# KiCad board BMS1_COPY_DONTDELETEORILLCRY.kicad_pcb (continued)
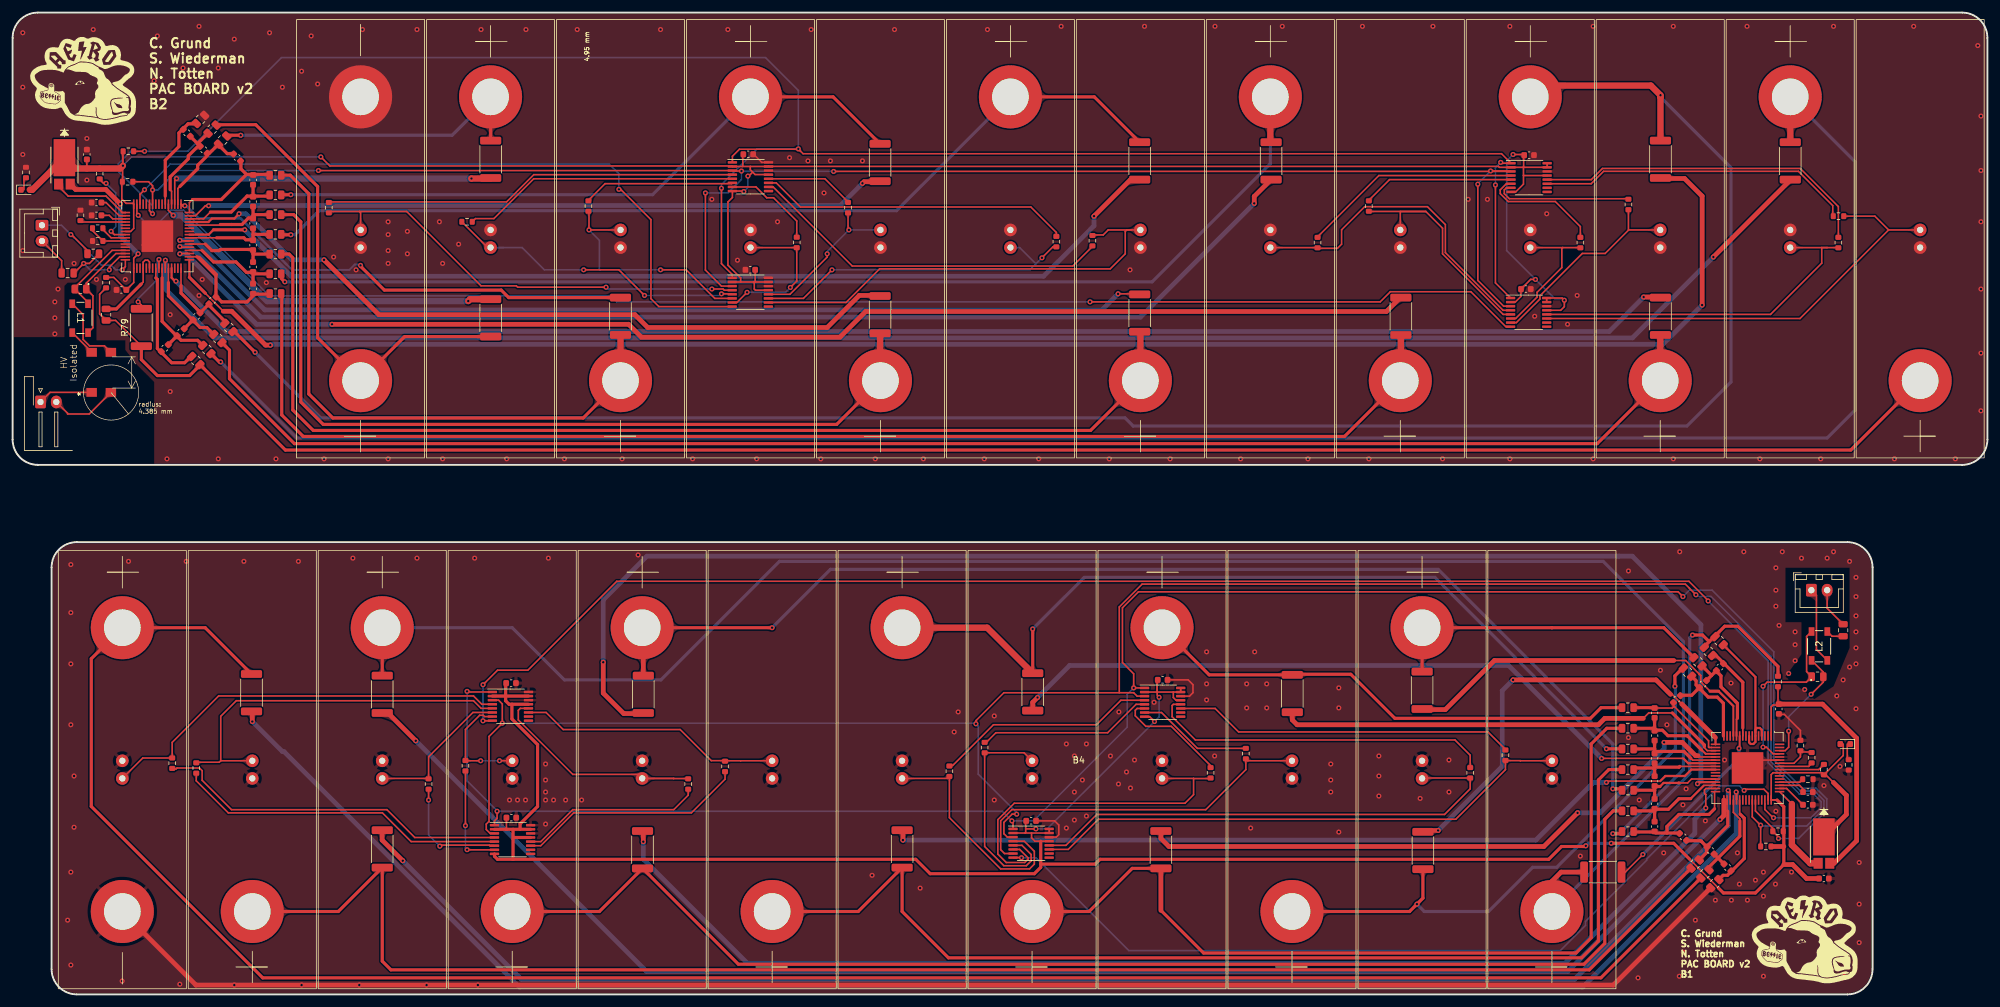
[diagram p0: board, top side]
## Routing (per net, layer and track width the routed paths; a pad name or vN(x,y) marks a point on that pad's centre or on a via; arc(x,y) is an arc through that point) (continued)
CT104: length 24.2
  Top w0.25: v1(116.42,111.33) 114.8,109.71 U7.7 ; B22.3 124.28,118.42 ; 124.29,118.32 124.29,113.11 v1(123.27,112.1)
  Bottom w0.25: v1(116.42,111.33) 116.42,111.34 122.51,111.34 v1(123.27,112.1)
CT105: length 25.2
  Top w0.25: v1(129.12,117.43) 129.12,116.91 123.21,111.01 119.79,111.01 ; v1(132.56,121.22) 132.42,121.36 132.42,123.84
  Bottom w0.25: v1(129.12,117.43) 129.12,117.78 v1(132.56,121.22) B21.3
CT106: length 54.1
  Top w0.25: v1(163.15,116.8) 164.89,118.54 R88.1 ; v1(129.88,114.89) 125.35,110.36 U7.11
  Bottom w0.25: 162.2,115.84 161.25,114.89 v1(129.88,114.89) ; 162.2,115.84 159.62,118.42 B20.3 ; 162.2,115.84 v1(163.15,116.8)
CT107: length 72.4
  Top w0.25: 177.38,121.22 173.66,121.22 172.86,120.42 171.15,120.42 ; B19.3 176.61,121.22 176.36,120.97 176.36,117.43 173.97,115.04 137.42,115.04 132.09,109.71 U7.10
CT108: length 51.5
  Top w0.25: U8.4 236.25,108.47 227.1,117.62 227.1,122.06 224.26,124.91 214.31,124.91 210.65,121.24 210.65,118.96 209.99,118.3 206.84,118.3 ; B18.3 206.81,118.42
CT109: length 38.5
  Top w0.25: 224,124.14 219.96,124.14 B17.3 ; 224,124.14 226.65,121.5 226.65,117.43 236.26,107.82 U8.5 ; 224,124.14 215.02,124.14
CT110: length 23
  Top w0.25: 245.7,118.42 248.46,118.42 ; 245.7,118.42 B16.3 ; 245.7,118.42 245.56,118.27 245.56,115.24 241.64,111.33 241.64,110.57 238.24,107.17 U8.6
CT111: length 33.2
  Top w0.25: 256.12,124.35 256.12,121.26 ; U8.7 238.35,106.52 242.09,110.26 242.09,110.77 248.8,117.49 252.42,117.49 256.16,121.22 B15.3
CT112: length 57.8
  Top w0.25: 287.61,118.42 286.76,118.42 286.76,115.94 278.64,107.82 U8.12 ; 287.61,118.42 B14.3 ; 287.61,118.42 289.27,118.42
CT113: length 72.9
  Top w0.25: B13.3 297.36,121.22 ; 297.36,121.22 283.31,107.17 U8.11 ; 297.36,121.22 295.17,123.4 290.33,123.4
CT201: length 66.1
  Top w0.25: B12.3 20.63,37.49 R51.1 25.29,39.96 32.66,47.33 73.05,47.33 74.37,46 U5.4
CT202: length 60.6
  Top w0.25: 29.1,36.81 32.75,36.81 32.99,37.04 ; 32.99,37.04 32.99,44.1 35.45,46.57 73.05,46.57 74.26,45.35 U5.5 ; 32.99,37.04 B11.3
CT203: length 23.7
  Top w0.25: B10.3 65.87,34.24 ; 65.93,34.27 65.93,37.68 72.96,44.7 U5.6
CT204: length 17.4
  Top w0.25: v1(74.19,37.04) 71.9,37.04 ; 71.78,37.17 71.78,42 74.03,44.25 74.61,44.25 74.81,44.05 U5.7 ; B9.3 v1(77.17,37.04)
  Bottom w0.25: v1(77.17,37.04) v1(74.19,37.04)
CT205: length 39.3
  Top w0.25: B8.3 104.79,34.24 ; B8.3 104.79,34.24 ; B8.3 99.15,34.88 88.79,34.88 80.16,43.52 80.16,45.04 80.47,45.35 U5.12 ; 104.79,34.24 104.81,34.22 107.34,34.22
CT206: length 41.8
  Top w0.25: B7.3 112.94,37.04 ; 112.92,37.06 110.74,37.06 105.81,41.99 87.27,41.99 84.56,44.7 U5.11
CT207: length 37.3
  Top w0.25: U6.4 160.35,24.28 161.95,22.69 161.95,20.66 161.18,19.9 156.61,19.9 148.48,28.02 148.48,34.48 ; 148.48,34.56 148.16,34.24 B6.3
CT208: length 36.3
  Top w0.25: B5.3 160.32,38.31 R44.1 154.07,23.45 157.12,20.4 160.68,20.4 161.44,21.17 161.44,22.18 159.98,23.63 U6.5
CT209: length 57.1
  Top w0.25: U6.6 159.62,22.98 160.99,21.62 160.99,21.48 160.42,20.91 157.5,20.91 156.16,22.25 156.16,27.7 158.77,30.31 185.82,30.31 187.19,31.68 187.19,34.24 ; 187.19,34.24 B4.3 ; 187.19,34.24 187.21,34.22 189.89,34.22
CT210: length 57.8
  Top w0.25: U6.7 157.22,22.34 156.61,22.94 156.61,27.52 158.39,29.29 189.12,29.29 195.47,35.64 195.47,37.02 ; B3.3 195.79,37.04 R42.1
CT211: length 79.5
  Top w0.25: R41.1 223.47,34.31 ; 231.03,34.12 231.03,32.6 226.97,28.53 171.85,28.53 166.95,23.63 U6.12
CT212: length 86.3
  Top w0.25: 236.62,37.02 236.62,35.64 228.75,27.77 172.11,27.77 167.32,22.99 U6.11 ; B1.3 238.99,37.04 238.97,37.06 236.62,37.06
D21: length 262
  Top w0.25: v1(279.11,28) 279.06,28 277.75,29.32 277.75,30.2 ; v1(268.76,62.38) 268.76,62.44 265.7,65.5 95.76,65.5 81.66,51.4 76.86,51.4 v1(74.56,49.1) ; v1(74.55,43.38) 76.02,43.38
  Bottom w0.25: v1(279.11,28) 285.04,28 286.66,29.62 286.66,30.57 285.43,31.8 283.18,31.8 278.26,36.72 278.26,52.88 v1(268.76,62.38) ; v1(74.56,49.1) 74.56,43.39 v1(74.55,43.38)
VD: length 356.6
  Top w0.25: 115.65,131.28 116.92,131.28 ; 115.65,131.28 U4.2 114.01,131.37 50.29,131.37 v1(48.85,132.8) ; 115.65,131.28 115.74,131.37 115.74,133.21 ; 116.92,131.28 116.92,130.77 117.69,130 119.79,130 ; 116.92,131.28 U4.15 ; U8.15 U8.16 245.6,110.42 v1(245.96,110.07) 245.96,109.05 245.38,108.47 U8.13 ; 115.4,112.96 U7.2 ; 115.4,112.96 117.43,112.96 ; 115.4,112.96 115.4,113.61 113.38,115.63 113.38,125.65 114.09,126.36 U4.8 115.83,127.38 v1(115.91,127.31) ; 17.31,128.86 17.31,126.12 17.99,125.43 19.06,125.43 19.19,125.3 19.19,121.47 18.7,120.98 U10.55 ; 239.48,129.88 239.48,131.17 239.51,131.2 ; 239.48,129.88 239.48,128.48 238.24,127.25 U3.8 ; 239.48,129.88 239.51,129.85 U3.13 ; 117.43,112.96 117.56,112.83 ; 117.43,112.96 U7.15 ; 239.51,133.08 239.51,131.2 ; 239.51,131.2 239.45,131.15 ; 239.45,131.15 U3.2 235.67,131.15 235.52,131.3 119.83,131.3 ; 239.45,131.15 U3.15 U3.16 ; C6.2 117.7,112.97 117.56,112.83 ; 11.77,132.41 11.77,130.96 ; U7.13 117.74,111.66 117.56,111.84 117.56,112.83 ; 17.44,133.69 17.44,128.99 ; v1(116.54,129.75) 116.67,129.75 117.31,130.39 ; v1(241.38,113.37) 240.61,113.37 C8.2 239.09,110.68 238.17,109.77 U8.2 ; v1(17.48,131.4) 17.48,133.64 ; v1(237.83,133.18) 239.4,133.18
  Top w1: v1(17.48,131.4) 17.04,130.96 9.93,130.96 Q2.3 3.13,127.59 2.73,127.59
  Bottom w0.25: v1(245.96,110.07) 245.7,110.32 244.43,110.32 v1(241.38,113.37) 236.81,117.94 236.81,132.16 v1(237.83,133.18) ; v1(116.54,129.75) 116.54,127.94 v1(115.91,127.31) ; v1(48.85,132.8) 18.88,132.8 v1(17.48,131.4)
VDC: length 45.2
  Top w0.25: U9.1 278.75,45.59 279.04,45.88 279.89,45.88 ; 279.82,48.7 279.82,45.95
  Top w0.75: Q3.2 288.71,20.79 292.28,24.36 292.28,40.62 286.88,46.03 C13.1
Net-(B1-+): length 83.8
  Top w0.5: 279.82,50.53 279.82,52.01 273.45,58.38 271.37,58.38 269.79,56.79 ; 269.77,56.79 268.91,55.93 ; 268.91,55.93 267.86,56.98 v1(266.28,56.98) ; 268.91,55.93 268.08,55.1
  Top w0.75: R32.1 245.45,19.39 243.99,17.93 B1.1
  Bottom w0.5: B1.1 265.83,34.99 265.83,56.54 v1(266.28,56.98)
Net-(B2-+): length 51.8
  Top w0.5: 223.41,51.27 223.41,58.14 ; 266.42,53.45 261.73,58.14 243.99,58.14 B2.1
Net-(B3-+): length 91.7
  Top w0.5: v1(263.48,48.85) 263.48,50.51 264.77,51.8 ; B3.1 221.42,13.14 v1(222.59,14.31) 223.54,15.26 223.54,19.77
  Bottom w0.5: v1(222.59,14.31) 223.75,13.14 233.93,13.14 240.94,20.15 244.75,20.15 263.55,38.95 263.55,48.79 v1(263.48,48.85)
Net-(B4-+): length 79.5
  Top w0.5: 202.84,50.76 212.11,50.76 219.1,43.77 250.08,43.77 251.78,45.47 255.02,45.47 ; B4.1 189.66,50.67 R33.1
Net-(B5-+): length 138.2
  Top w0.5: B5.1 170.62,13.14 177.46,19.98 R34.1 ; 255.02,42.19 252.7,42.19 250.21,39.71 250.21,8.97 247.8,6.56 188.77,6.56 182.19,13.14
  Top w0.75: 182.01,19.89 182.01,13.32
Net-(B6-+): length 138.7
  Top w0.5: v1(252.62,38.95) 255,38.95 ; v1(161.68,57.94) 161.69,57.93 R36.1
  Top w1: R36.1 154.47,58.14 B6.1
  Bottom w0.5: v1(161.68,57.94) 169.87,66.12 225.45,66.12 v1(252.62,38.95)
Net-(B7-+): length 174.8
  Top w0.5: 140.99,20.02 140.99,13.14 148.33,5.8 248.69,5.8 251.35,8.47 251.35,33.99 253.01,35.65 255.02,35.65 ; R38.1 134.03,13.14 B7.1
Net-(B8-+): length 184.8
  Top w0.5: v1(253.64,32.6) 254.8,32.6 ; v1(120.39,58.14) B8.1
  Top w0.75: 99.97,50.63 99.97,57.96
  Bottom w0.5: v1(120.39,58.14) 129.64,67.39 225.95,67.39 253.64,39.71 v1(253.64,32.6)
Net-(B9-+): length 206.6
  Top w0.5: B9.1 93.01,13.14 R28.1 115.04,4.78 249.07,4.78 252.37,8.09 252.37,27.77 253.7,29.1 255.02,29.1
Net-(B10-+): length 266.6
  Top w0.5: v1(253.64,25.48) 254.68,25.48 ; B10.1 58.59,51.01
  Bottom w0.5: B10.1 79.19,58.14 87.46,49.87 102.76,49.87 121.56,68.66 252.12,68.66 264.82,55.96 264.82,35.64 254.66,25.48 v1(253.64,25.48)
Net-(B11-+): length 252.9
  Top w0.5: 265.98,19.96 249.91,3.89 59.96,3.89 58.59,5.27 58.59,20.02 ; R35.1 51.62,13.14 B11.1
Net-(B12-+): length 326.8
  Top w0.5: R29.1 30.52,58.14 B12.1 12.47,53.22 12.47,29.8 39.64,2.62 251.75,2.62 267.54,18.41
Net-(B13-+): length 309.3
  Top w0.25: R79.1 16.32,106.87 R54.2 13.79,107.89 13.79,111.01 R80.2
  Top w0.5: B13.1 291.35,86.32 43.24,86.32 29.74,99.81 28.06,98.13 22.94,98.13 20.4,100.67 R79.1
Net-(B14-+): length 328.9
  Top w0.5: v1(32.98,100.29) 32.75,100.29 31.49,101.55
  Top w1: 281.77,135.22 281.77,142.31
  Bottom w0.5: B14.1 292.06,132.02 292.06,92.67 287.61,88.22 45.04,88.22 v1(32.98,100.29)
Net-(B15-+): length 248.4
  Top w0.5: 33.23,103.3 34.38,102.15 34.38,97.62 44.66,87.33 251.17,87.33 B15.1
  Top w1: B15.1 261.16,104.44
Net-(B16-+): length 322.7
  Top w0.5: v1(38.44,101.81) 35.21,105.04
  Top w1: 261.2,142.28 v1(261.2,142.58) 259.67,144.1 242.34,144.1 ; 261.2,142.28 261.2,135.47 ; 261.2,142.28 261.16,142.32
  Bottom w0.5: v1(38.44,101.81) 48.82,91.42 176.31,91.42 177.61,90.13 265.39,90.13 272.37,97.11 272.37,131.1 261.16,142.32
Net-(B17-+): length 208.7
  Top w0.5: B17.1 211.11,88.48 46.06,88.48 42.65,91.88 42.65,111.13
  Top w1: 220.05,104.47 220.05,97.41
Net-(B18-+): length 183
  Top w0.5: v1(43.14,112.99) 42.65,113.47 42.65,114.26
  Top w1: B18.1 199.36,135.33
  Bottom w0.5: B18.1 199.36,131.73 180.61,112.99 v1(43.14,112.99)
Net-(B19-+): length 172.6
  Top w0.5: 42.65,117.39 43.82,117.39 44.41,116.8 44.41,92.67 47.65,89.42 170.86,89.42 B19.1
  Top w1: B19.1 178.76,104.88
Net-(B20-+): length 148
  Top w0.5: v1(44.1,120.45) 42.71,120.45 ; R78.1 171.45,142.32 B20.1
  Bottom w0.5: v1(44.1,120.45) 44.76,120.45 48.58,124.27 140.11,124.27 B20.1
Net-(B21-+): length 135.6
  Top w0.5: B21.1 130.62,90.38 49.23,90.38 45.68,93.94 45.68,122.51 44.55,123.64 42.65,123.64
  Top w1: 137.5,104.73 137.5,97.38
Net-(B22-+): length 104.3
  Top w0.5: R68.1 130.05,142.32 B22.1 ; v1(44.1,126.8) 42.69,126.8
  Bottom w0.5: B22.1 101.44,126.8 v1(44.1,126.8)
Net-(B23-+): length 97.9
  Top w0.5: 42.65,129.9 44.01,129.9 46.95,126.96 46.95,95.21 50.76,91.4 90.43,91.4 B23.1
  Top w1: B23.1 96.36,104.47
Net-(B24-+): length 51.1
  Top w0.5: v1(36.15,136.23) 34.05,136.23 ; 75.78,135.47 75.78,142.3
  Bottom w0.5: B24.1 69.66,136.23 v1(36.15,136.23)
Net-(B25-+): length 77.2
  Top w0.5: R69.1 62.15,104.31 B25.1 48.34,104.13 48.34,128.1 38.54,137.9 32.33,137.9
Net-(C9-Pad1): length 2.8
  Top w0.25: L2.3 288.39,56.79 C9.1
Net-(D1-K): length 2
  Top w0.25: R94.2 1.8,129.18 1.8,127.59
Net-(D2-K): length 2.3
  Top w0.25: 290.8,39.7 290.8,37.44
Net-(J2-Pin_1): length 21.1
  Top w0.25: v1(17.36,114.89) 17.87,115.41 U10.64 ; v1(9.23,120.48) 9.33,120.48 11.87,117.94
  Bottom w0.25: J2.1 7.74,121.96 14.09,115.62 15.62,115.62 16.05,115.19 16.05,115.18 16.34,114.89 v1(17.36,114.89)
Net-(J2-Pin_2): length 6.4
  Top w0.25: C10.1 7.77,116.35 J2.2
Net-(J3-Pin_1): length 12.2
  Top w0.25: L2.2 285.92,54.69 285.92,63.29 J3.1
Net-(J3-Pin_2): length 6.5
  Top w0.25: C9.2 287.61,61.23 J3.2
Net-(L1-Pad2): length 11.6
  Top w0.25: L1.2 11.18,107.78 11.18,103.85 12.19,102.84 14.55,102.84 15.58,101.81
Net-(L1-Pad3): length 4.4
  Top w0.25: 12.53,101.86 L1.3
Net-(Q2-B): length 12.3
  Top w0.25: 7.29,128.1 8.82,126.58 14.82,126.58 16.34,125.05 16.34,125.03 17.4,123.97 17.86,123.97 U10.49
Net-(Q3-B): length 14.6
  Top w0.25: U9.49 282.02,30.2
  Top w1: 282.02,30.2 282.02,23.69 284.93,20.79 Q3.1
Net-(U9-CSB(IMA)): length 28.9
  Top w0.25: L2.4 284.36,56.75 284.36,51.2 R97.1 284.32,49.52 278.12,49.52 v1(277.45,48.85) ; U9.61 279.05,38.15 278,39.2 v1(277.45,39.2)
  Bottom w0.25: v1(277.45,48.85) v1(277.45,39.2)
Net-(U9-DTEN): length 3.9
  Top w0.25: R2.2 283.27,33.65 U9.52
Net-(U9-IBIAS): length 5.3
  Top w0.25: U9.57 284.69,36.15 285.16,36.62
Net-(U9-ICMP): length 6.2
  Top w0.25: 283.38,38.46 283.38,37.67 282.36,36.65 U9.58 ; 285.16,38.44 283.48,38.44
Net-(U9-SCK(IPA)): length 18.5
  Top w0.25: v1(281.52,41.74) 281.52,39.2 280.96,38.65 U9.62 ; L2.1 287,51.11 R97.2 287,49.51 v1(285.07,47.58)
  Bottom w0.25: v1(285.07,47.58) 281.52,44.03 v1(281.52,41.74)
Net-(U9-VREF1): length 3.9
  Top w0.25: 283.79,32.6 283.24,33.15 U9.51
Net-(U9-VREF2): length 4.8
  Top w0.25: U9.50 281.2,32.65 C41.2
Net-(U9-WDT): length 7.4
  Top w0.25: U9.56 286.29,35.65 R7.2
Net-(U10-CSB(IMA)): length 13.5
  Top w0.25: U10.61 15.77,117.98 9.84,112.04 ; 11.95,109.73 R96.1
Net-(U10-DTEN): length 6.9
  Top w0.25: U10.52 10.98,122.48
Net-(U10-IBIAS): length 4.1
  Top w0.25: U10.57 15.61,119.98 14.31,121.28
Net-(U10-ICMP): length 6.3
  Top w0.25: R11.1 12.66,121.11 R6.2 17.86,119.46 U10.58
Net-(U10-IMB): length 13.4
  Top w0.25: R98.2 12.17,115.91 v1(11.26,115.91) 9.74,114.38 ; v1(15.32,114.89) 15.32,115.32 16.98,116.98 U10.63
  Bottom w0.25: v1(11.26,115.91) 12.28,114.89 v1(15.32,114.89)
Net-(U10-SCK(IPA)): length 16.7
  Top w0.25: U10.62 16.37,117.48 11.66,112.77 R96.2 12.73,110.78 12.73,105.71 L1.4
Net-(U10-VREF1): length 4
  Top w0.25: U10.51 15.88,122.98 15.32,123.53 C12.2
Net-(U10-VREF2): length 4.7
  Top w0.25: U10.50 16.9,123.48 14.82,125.56 C40.2
Net-(U10-WDT): length 12.3
  Top w0.25: 13.8,129.22 14.41,128.61 v1(14.82,128.61) ; v1(15.61,121) 16.14,120.48 U10.56
  Bottom w0.25: v1(15.61,121) 16.34,121.73 16.34,127.08 v1(14.82,128.61)

## Copper pours and planes (outline as drawn; the poured copper is in the pictures)
GND1 on Top, Bottom: -0.42,155.53 314.54,155.53 314.54,84.41 311.49,81.36 3.13,81.36 -0.93,85.43 -0.93,155.02
GND2 on Top, Bottom: 295.3,0.08 295.3,71.46 294.79,71.97 7.01,71.97 4.97,69.93 4.97,0.59 5.99,-0.42 294.79,-0.42

Small or netless copper shapes (teardrops, artwork), in the pictures only: 635 on Top, 117 on Bottom

## Text on the board
F.Silkscreen: radius: / 4.385 mm | C. Grund / S. Wiederman / N. Totten / PAC BOARD v2 / B1 | C. Grund / S. Wiederman / N. Totten / PAC BOARD v2 / B2
